# Allegro board SDHCalFEB20180110.brd (continued)
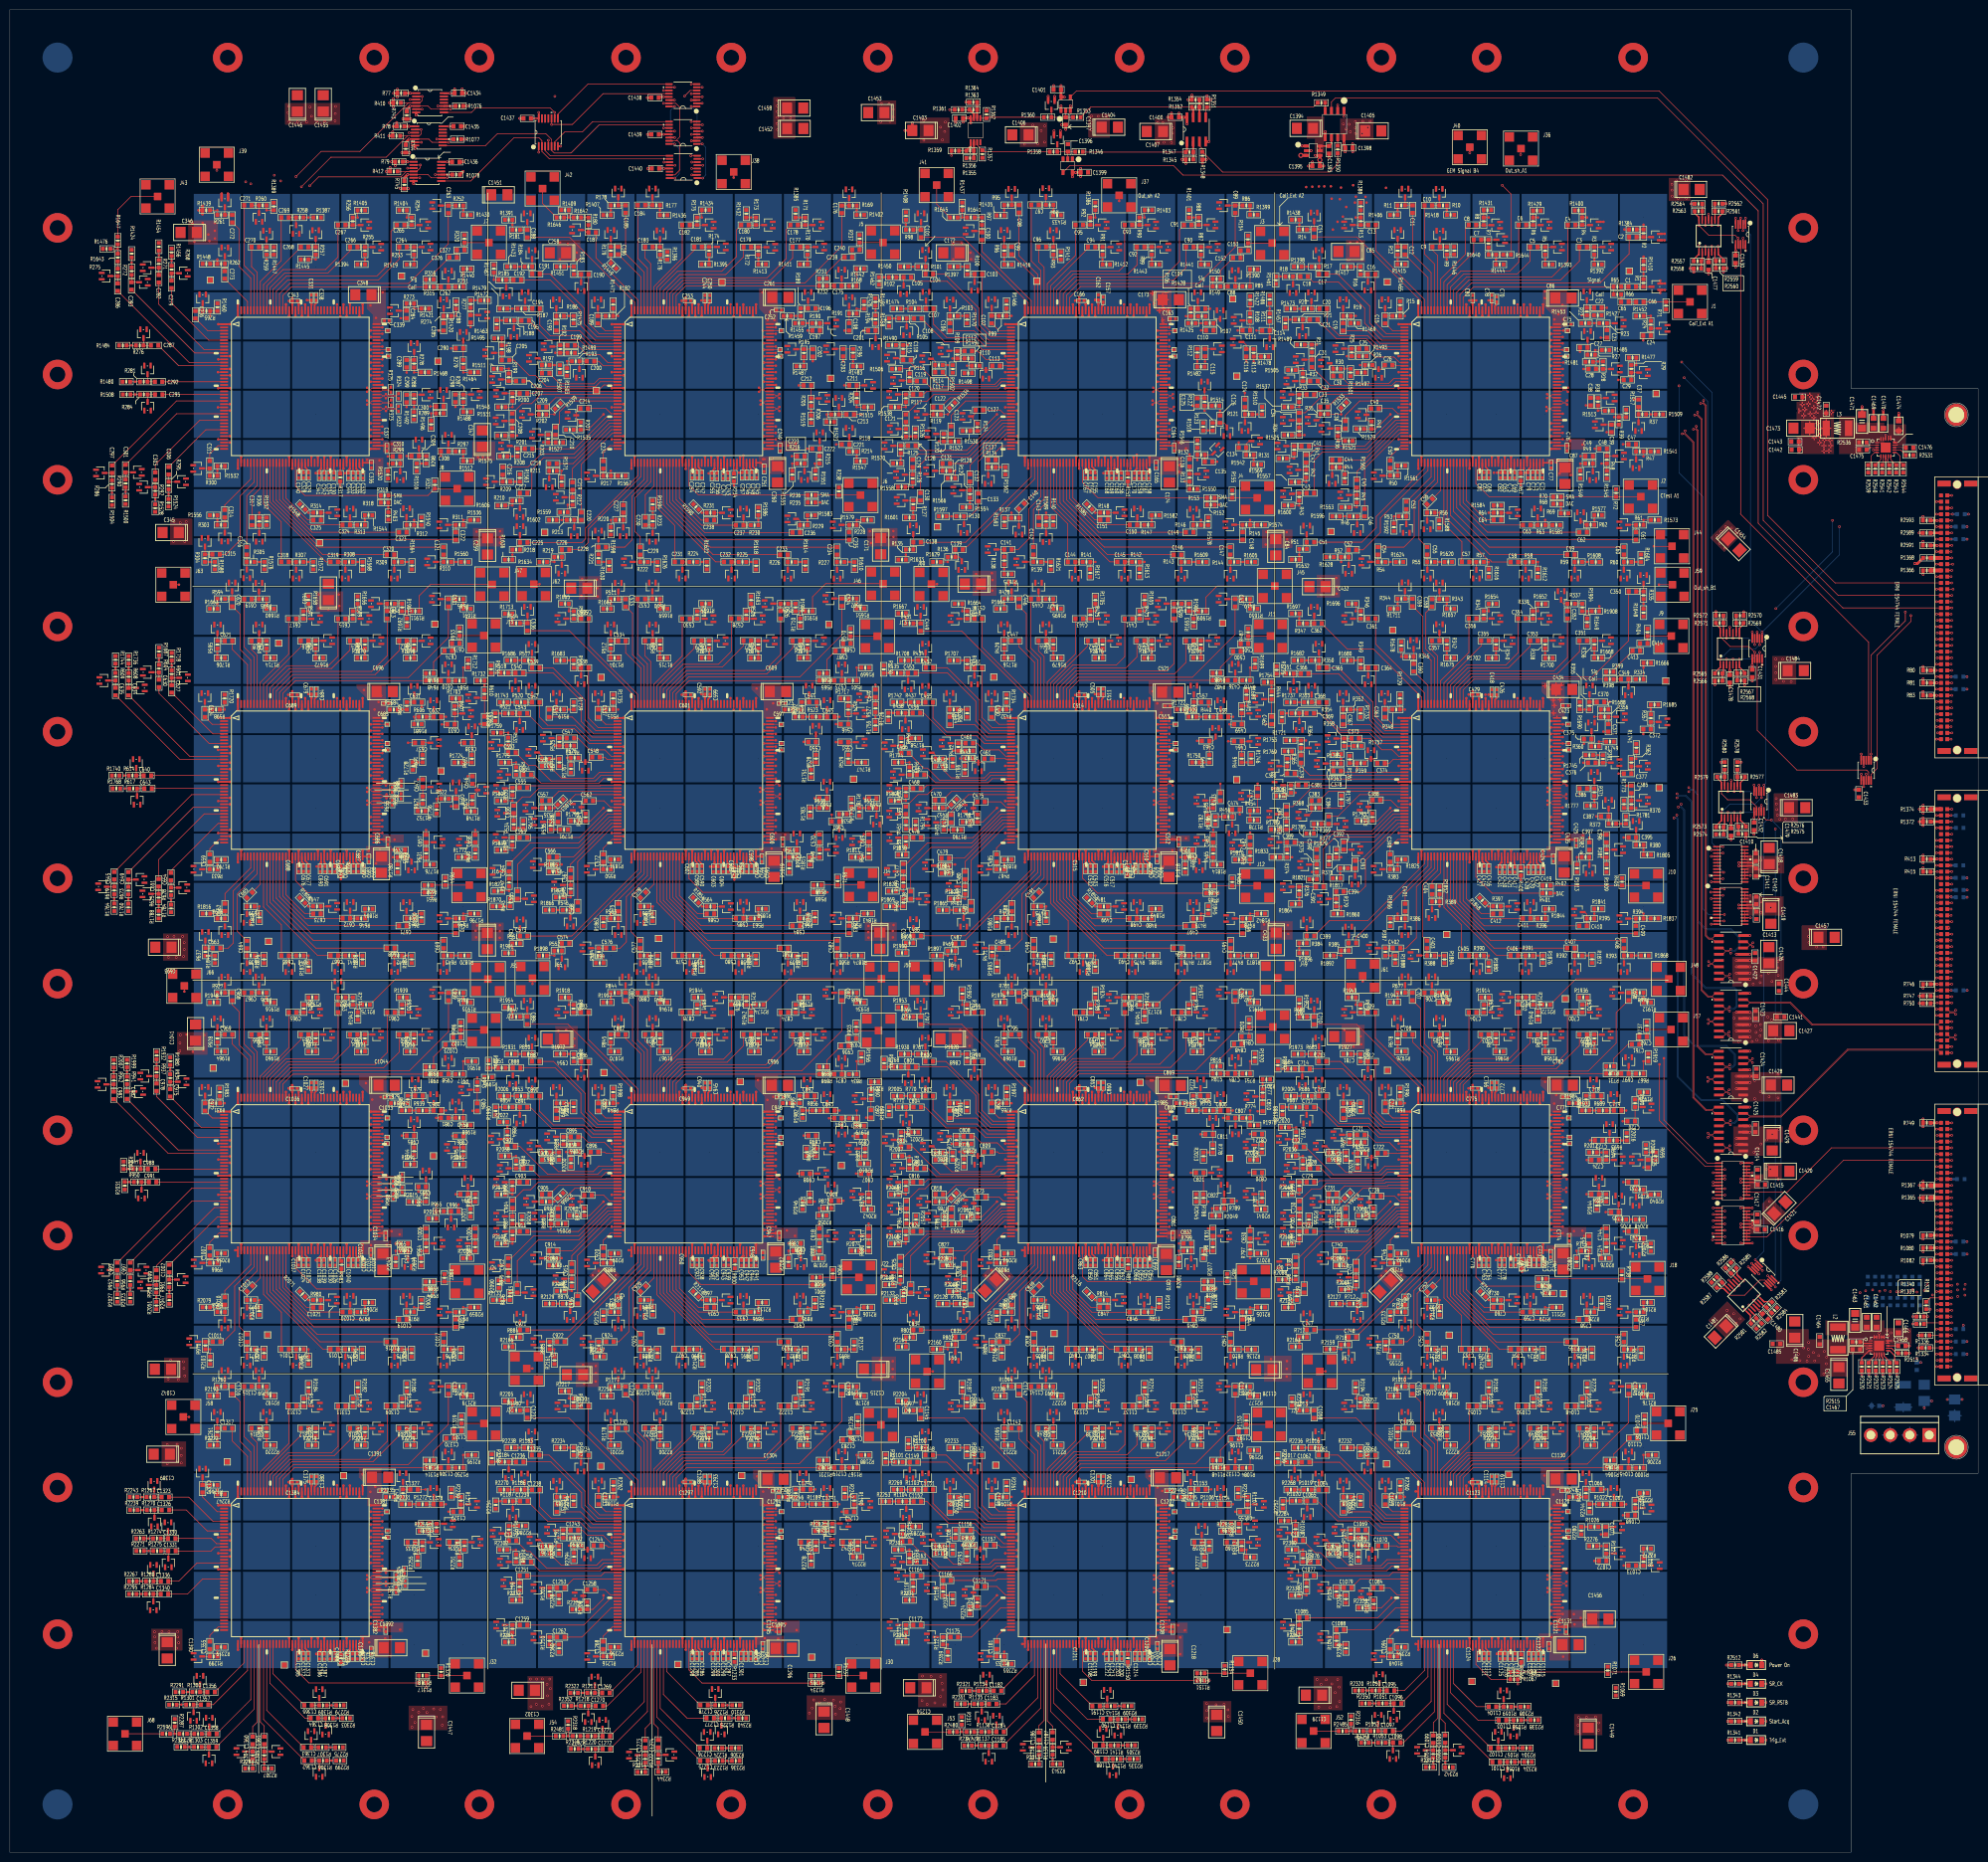
[diagram p0: board, top side]
## Routing (per net, layer and track width the routed paths; a pad name or vN(x,y) marks a point on that pad's centre or on a via; arc(x,y) is an arc through that point) (continued)
ANALOGIN54_ASIC_D2: length 23.8
  TOP w0.127: U910.46 209.66,29.3 202.08,21.73 C1185.2
ANALOGIN54_ASIC_D3: length 24.5
  TOP w0.127: C1272.2 122.07,20.99 129.65,28.57 U975.46
ANALOGIN54_ASIC_D4: length 24.1
  TOP w0.127: C1359.2 42.01,21.4 49.64,29.02 U1040.46
ANALOGIN55_ASIC_A1: length 19.4
  TOP w0.127: U65.47 290.32,278.4 286.54,274.62 286.54,266.85 288.17,265.21 C55.2
ANALOGIN55_ASIC_A2: length 18
  TOP w0.127: C142.2 208.14,272.86 210.31,275.03 U130.47
ANALOGIN55_ASIC_A3: length 18.9
  TOP w0.127: U195.47 130.3,278.43 127.15,275.29 127.15,268.33 128.19,267.28 C229.2
ANALOGIN55_ASIC_A4: length 18
  TOP w0.127: C316.2 48.17,275.63 50.29,277.74 U260.47
ANALOGIN55_ASIC_B1: length 18.8
  TOP w0.127: C403.2 288.13,185.24 287.25,186.12 287.25,196.47 290.32,199.54 U325.47
ANALOGIN55_ASIC_B5: length 19.4
  TOP w0.127: U390.47 210.31,198.04 206.55,194.28 206.55,186.86 208.17,185.24 C490.2
ANALOGIN55_ASIC_B6: length 19.6
  TOP w0.127: U455.47 130.3,198.09 126.29,194.08 126.29,187.09 128.13,185.24 C577.2
ANALOGIN55_ASIC_B7: length 19.6
  TOP w0.127: U520.47 50.29,198.8 46.25,194.77 46.25,187.14 48.18,185.22 C664.2
ANALOGIN55_ASIC_C1: length 19.6
  TOP w0.127: C751.2 286.18,107.24 286.18,113.56 290.32,117.7 U585.47
ANALOGIN55_ASIC_C2: length 19.4
  TOP w0.127: U650.47 210.31,117.95 206.5,114.15 206.5,106.93 208.19,105.23 C838.2
ANALOGIN55_ASIC_C3: length 19.3
  TOP w0.127: C925.2 128.21,105.23 126.7,106.75 126.7,114.6 130.3,118.21 U715.47
ANALOGIN55_ASIC_C4: length 19.3
  TOP w0.127: C1012.2 46.61,106.86 46.61,114.43 50.29,118.11 U780.47
ANALOGIN55_ASIC_D1: length 18.9
  TOP w0.127: C1099.2 289.46,26.34 290.32,27.2 U845.47
ANALOGIN55_ASIC_D2: length 18.4
  TOP w0.127: C1186.2 209.27,25.73 210.31,26.77 U910.47
ANALOGIN55_ASIC_D3: length 20
  TOP w0.127: U975.47 130.3,26.26 129.21,25.18 C1273.2
ANALOGIN55_ASIC_D4: length 19.2
  TOP w0.127: C1360.2 49.38,25.51 50.29,26.41 U1040.47
ANALOGIN56_ASIC_A1: length 8
  TOP w0.127: C56.2 290.97,276.71 U65.48
ANALOGIN56_ASIC_A2: length 11.9
  TOP w0.127: C143.2 209.26,272.76 210.96,274.46 U130.48
ANALOGIN56_ASIC_A3: length 11.8
  TOP w0.127: U195.48 130.95,277.59 129.21,275.86 C230.2
ANALOGIN56_ASIC_A4: length 11.9
  TOP w0.127: C317.2 49.24,275.48 50.94,277.17 U260.48
ANALOGIN56_ASIC_B1: length 6.8
  TOP w0.127: U325.48 290.97,199.02 289.21,197.26 C404.2
ANALOGIN56_ASIC_B5: length 8
  TOP w0.127: U390.48 210.96,196.74 C491.2
ANALOGIN56_ASIC_B6: length 8
  TOP w0.127: 129.31,195.06 130.95,196.69 U455.48
ANALOGIN56_ASIC_B7: length 8
  TOP w0.127: C665.2 50.94,196.7 U520.48
ANALOGIN56_ASIC_C1: length 8.1
  TOP w0.127: C752.2 290.97,116.59 U585.48
ANALOGIN56_ASIC_C2: length 8
  TOP w0.127: U650.48 210.96,116.65 C839.2
ANALOGIN56_ASIC_C3: length 8
  TOP w0.127: C926.2 130.95,116.65 U715.48
ANALOGIN56_ASIC_C4: length 7.9
  TOP w0.127: U780.48 50.94,116.69 C1013.2
ANALOGIN56_ASIC_D1: length 18.9
  TOP w0.127: C1100.2 291.88,26.21 290.97,27.12 U845.48
ANALOGIN56_ASIC_D2: length 18.4
  TOP w0.127: U910.48 210.96,26.68 212.04,25.6 C1187.2
ANALOGIN56_ASIC_D3: length 19.9
  TOP w0.127: U975.48 130.95,26.1 131.83,25.22 C1274.2
ANALOGIN56_ASIC_D4: length 19.2
  TOP w0.127: C1361.2 51.74,25.65 50.94,26.45 U1040.48
ANALOGIN57_ASIC_A1: length 21.7
  TOP w0.127: C57.2 295.26,266.31 291.62,269.95 U65.49
ANALOGIN57_ASIC_A2: length 21.6
  TOP w0.127: U130.49 211.61,273.46 215.14,269.93 C144.2
ANALOGIN57_ASIC_A3: length 21.6
  TOP w0.127: C231.2 135.23,269.6 131.6,273.23 U195.49
ANALOGIN57_ASIC_A4: length 21.6
  TOP w0.127: C318.2 55.19,270.36 51.59,273.96 U260.49
ANALOGIN57_ASIC_B1: length 21.6
  TOP w0.127: C405.2 295.2,188.44 291.62,192.02 U325.49
ANALOGIN57_ASIC_B5: length 21.6
  TOP w0.127: C492.2 215.21,189.28 211.61,192.89 U390.49
ANALOGIN57_ASIC_B6: length 21.6
  TOP w0.127: U455.49 131.6,193.04 135.2,189.43 C579.2
ANALOGIN57_ASIC_B7: length 21.6
  TOP w0.127: U520.49 51.59,192.08 55.22,188.44 C666.2
ANALOGIN57_ASIC_C1: length 21.6
  TOP w0.127: U585.49 291.62,112.65 295.22,109.04 C753.2
ANALOGIN57_ASIC_C2: length 21.6
  TOP w0.127: C840.2 215.19,109.7 211.61,113.28 U650.49
ANALOGIN57_ASIC_C3: length 21.6
  TOP w0.127: C927.2 135.23,109.63 131.6,113.26 U715.49
ANALOGIN57_ASIC_C4: length 21.6
  TOP w0.127: C1014.2 55.22,109.73 51.59,113.36 U780.49
ANALOGIN57_ASIC_D1: length 28.1
  TOP w0.127: C1101.2 301.47,18.36 291.62,28.21 U845.49
ANALOGIN57_ASIC_D2: length 27.4
  TOP w0.127: C1188.2 221.28,18.96 211.61,28.64 U910.49
ANALOGIN57_ASIC_D3: length 27.4
  TOP w0.127: U975.49 131.6,27.4 140.39,18.61 C1275.2
ANALOGIN57_ASIC_D4: length 27.1
  TOP w0.127: U1040.49 51.59,26.97 59.89,18.66 C1362.2
ANALOGIN58_ASIC_A1: length 28
  TOP w0.127: U65.50 292.27,282.34 292.27,282.34 292.27,270.95 300.55,262.67 300.92,262.67 301.2,262.39 301.2,262.31 301.32,262.19 C58.2
ANALOGIN58_ASIC_A2: length 26.4
  TOP w0.127: U130.50 212.26,273.65 223.69,262.22 C145.2
ANALOGIN58_ASIC_A3: length 26.5
  TOP w0.127: U195.50 132.25,273.49 143.52,262.22 C232.2
ANALOGIN58_ASIC_A4: length 26
  TOP w0.127: U260.50 52.24,274.25 64.27,262.22 C319.2
ANALOGIN58_ASIC_B1: length 27.1
  TOP w0.127: U325.50 292.27,192.29 302.33,182.22 C406.2
ANALOGIN58_ASIC_B5: length 26.7
  TOP w0.127: C493.2 223.11,182.22 212.26,193.08 U390.50
ANALOGIN58_ASIC_B6: length 26.6
  TOP w0.127: C580.2 143.28,182.22 132.25,193.25 U455.50
ANALOGIN58_ASIC_B7: length 27
  TOP w0.127: U520.50 52.24,192.57 62.58,182.22 C667.2
ANALOGIN58_ASIC_C1: length 26.8
  TOP w0.127: U585.50 292.27,112.86 302.92,102.21 C754.2
ANALOGIN58_ASIC_C2: length 26.4
  TOP w0.127: C841.2 223.57,102.21 212.26,113.52 U650.50
ANALOGIN58_ASIC_C3: length 26.5
  TOP w0.127: U715.50 132.25,113.47 143.51,102.21 C928.2
ANALOGIN58_ASIC_C4: length 26.4
  TOP w0.127: C1015.2 63.65,102.21 52.24,113.62 U780.50
ANALOGIN58_ASIC_D1: length 24.8
  TOP w0.127: U845.50 292.27,30.07 301.14,21.2 C1102.2
ANALOGIN58_ASIC_D2: length 24.1
  TOP w0.127: C1189.2 220.8,21.76 212.26,30.3 U910.50
ANALOGIN58_ASIC_D3: length 24.5
  TOP w0.127: C1276.2 140.28,21.2 132.25,29.24 U975.50
ANALOGIN58_ASIC_D4: length 24.1
  TOP w0.127: C1363.2 59.74,21.33 52.24,28.83 U1040.50
ANALOGIN59_ASIC_A1: length 37.7
  TOP w0.127: U65.51 292.92,282.34 292.92,271.7 300.92,263.7 C59.2
ANALOGIN59_ASIC_A2: length 36.4
  TOP w0.127: C146.2 223.2,263.66 212.91,273.96 U130.51
ANALOGIN59_ASIC_A3: length 36.5
  TOP w0.127: U195.51 132.9,273.78 143,263.68 C233.2
ANALOGIN59_ASIC_A4: length 36.1
  TOP w0.127: C320.2 63.61,263.69 52.89,274.42 U260.51
ANALOGIN59_ASIC_B1: length 37.2
  TOP w0.127: U325.51 292.92,192.58 301.77,183.72 C407.2
ANALOGIN59_ASIC_B5: length 36.8
  TOP w0.127: C494.2 222.45,183.72 212.91,193.26 U390.51
ANALOGIN59_ASIC_B6: length 36.8
  TOP w0.127: U455.51 132.9,202.33 132.9,193.39 142.59,183.7 C581.2
ANALOGIN59_ASIC_B7: length 37
  TOP w0.127: C668.2 62.2,183.72 52.89,193.04 U520.51
ANALOGIN59_ASIC_C1: length 37
  TOP w0.127: C755.2 302.23,103.69 292.92,113 U585.51
ANALOGIN59_ASIC_C2: length 36.5
  TOP w0.127: C842.2 222.91,103.71 212.91,113.71 U650.51
ANALOGIN59_ASIC_C3: length 36.6
  TOP w0.127: C929.2 142.79,103.71 132.9,113.61 U715.51
ANALOGIN59_ASIC_C4: length 36.5
  TOP w0.127: C1016.2 63.06,103.71 52.89,113.89 U780.51
ANALOGIN59_ASIC_D1: length 22
  TOP w0.127: C1103.2 298.55,26.83 292.92,32.45 U845.51
ANALOGIN59_ASIC_D2: length 21
  TOP w0.127: C1190.2 219.1,27.03 212.91,33.22 U910.51
ANALOGIN59_ASIC_D3: length 21
  TOP w0.127: U975.51 132.9,32.05 137.71,27.23 C1277.2
ANALOGIN59_ASIC_D4: length 19.2
  TOP w0.127: U1040.51 52.89,34.31 59.97,27.23 C1364.2
ANALOGIN60_ASIC_A1: length 47.5
  TOP w0.127: U65.52 293.57,272.45 300.8,265.21 C60.2
ANALOGIN60_ASIC_A2: length 46.5
  TOP w0.127: U130.52 213.56,274.2 222.53,265.23 C147.2
ANALOGIN60_ASIC_A3: length 46.6
  TOP w0.127: U195.52 133.55,274.1 142.44,265.21 C234.2
ANALOGIN60_ASIC_A4: length 46.3
  TOP w0.127: C321.2 62.89,265.2 53.54,274.55 U260.52
ANALOGIN60_ASIC_B1: length 47.3
  TOP w0.127: C408.2 301.09,185.24 293.57,192.77 U325.52
ANALOGIN60_ASIC_B5: length 46.9
  TOP w0.127: C495.2 221.84,185.24 213.56,193.53 U390.52
ANALOGIN60_ASIC_B6: length 46.9
  TOP w0.127: U455.52 133.55,193.63 141.94,185.24 C582.2
ANALOGIN60_ASIC_B7: length 47
  TOP w0.127: U520.52 53.54,193.45 61.75,185.24 C669.2
ANALOGIN60_ASIC_C1: length 47
  TOP w0.127: C756.2 301.6,105.23 293.57,113.26 U585.52
ANALOGIN60_ASIC_C2: length 46.7
  TOP w0.127: U650.52 213.56,113.87 222.2,105.23 C843.2
ANALOGIN60_ASIC_C3: length 46.8
  TOP w0.127: U715.52 133.55,113.77 142.09,105.23 C930.2
ANALOGIN60_ASIC_C4: length 46.6
  TOP w0.127: U780.52 53.54,114.18 62.48,105.23 C1017.2
ANALOGIN60_ASIC_D1: length 17.2
  TOP w0.127: U845.52 293.57,34.27 298.27,29.57 C1104.2
ANALOGIN60_ASIC_D2: length 15.4
  TOP w0.127: U910.52 213.56,36.27 220.12,29.71 C1191.2
ANALOGIN60_ASIC_D3: length 15.3
  TOP w0.127: C1278.2 133.55,36.74 U975.52
ANALOGIN60_ASIC_D4: length 15.1
  TOP w0.127: U1040.52 53.54,36.24 59.89,29.89 C1365.2
ANALOGIN61_ASIC_A1: length 48.3
  TOP w0.127: C61.2 300.7,266.71 294.22,273.19 U65.53
ANALOGIN61_ASIC_A2: length 47.5
  TOP w0.127: C148.2 222.05,266.73 214.21,274.57 U130.53
ANALOGIN61_ASIC_A3: length 47.7
  TOP w0.127: U195.53 134.2,274.34 141.84,266.7 C235.2
ANALOGIN61_ASIC_A4: length 47.5
  TOP w0.127: U260.53 54.19,274.72 62.2,266.7 C322.2
ANALOGIN61_ASIC_B1: length 48.4
  TOP w0.127: U325.53 294.22,192.95 300.46,186.72 C409.2
ANALOGIN61_ASIC_B5: length 47.9
  TOP w0.127: C496.2 221.28,186.72 214.21,193.79 U390.53
ANALOGIN61_ASIC_B6: length 47.9
  TOP w0.127: C583.2 141.25,186.74 134.2,193.79 U455.53
ANALOGIN61_ASIC_B7: length 47.9
  TOP w0.127: C670.2 61.29,186.74 54.19,193.84 U520.53
ANALOGIN61_ASIC_C1: length 48.2
  TOP w0.127: C757.2 300.89,106.71 294.22,113.37 U585.53
ANALOGIN61_ASIC_C2: length 47.8
  TOP w0.127: U650.53 214.21,113.98 221.46,106.73 C844.2
ANALOGIN61_ASIC_C3: length 47.8
  TOP w0.127: C931.2 141.43,106.76 134.2,113.99 U715.53
ANALOGIN61_ASIC_C4: length 47.6
  TOP w0.127: U780.53 54.19,114.39 61.83,106.75 C1018.2
ANALOGIN62_ASIC_A1: length 35.1
  TOP w0.127: U65.54 294.87,273.84 300.46,268.25 C62.2
ANALOGIN62_ASIC_A2: length 34.5
  TOP w0.127: C149.2 221.45,268.24 214.86,274.83 U130.54
ANALOGIN62_ASIC_A3: length 34.7
  TOP w0.127: C236.2 141.29,268.19 134.85,274.63 U195.54
ANALOGIN62_ASIC_A4: length 34.5
  TOP w0.127: U260.54 54.84,274.86 61.46,268.24 C323.2
ANALOGIN62_ASIC_B1: length 35.5
  TOP w0.127: C410.2 299.79,188.24 294.87,193.17 U325.54
ANALOGIN62_ASIC_B5: length 35
  TOP w0.127: C497.2 220.67,188.24 214.86,194.06 U390.54
ANALOGIN62_ASIC_B6: length 35
  TOP w0.127: C584.2 140.53,188.27 134.85,193.96 U455.54
ANALOGIN62_ASIC_B7: length 34.9
  TOP w0.127: U520.54 54.84,194.13 60.7,188.27 C671.2
ANALOGIN62_ASIC_C1: length 35.2
  TOP w0.127: C758.2 300.22,108.26 294.87,113.61 U585.54
ANALOGIN62_ASIC_C2: length 34.9
  TOP w0.127: C845.2 220.77,108.26 214.86,114.17 U650.54
ANALOGIN62_ASIC_C3: length 34.9
  TOP w0.127: U715.54 134.85,114.17 140.74,108.28 C932.2
ANALOGIN62_ASIC_C4: length 34.7
  TOP w0.127: U780.54 54.84,114.61 61.18,108.27 C1019.2
ANALOGIN63_ASIC_A1: length 22.1
  TOP w0.127: C63.2 300.07,269.71 295.52,274.26 U65.55
ANALOGIN63_ASIC_A2: length 21.7
  TOP w0.127: U130.55 215.51,275.07 220.84,269.74 C150.2
ANALOGIN63_ASIC_A3: length 21.8
  TOP w0.127: C237.2 140.66,269.67 135.5,274.84 U195.55
ANALOGIN63_ASIC_A4: length 21.7
  TOP w0.127: C324.2 60.74,269.74 55.49,274.99 U260.55
ANALOGIN63_ASIC_B1: length 22.6
  TOP w0.127: C411.2 299.11,189.74 295.52,193.33 U325.55
ANALOGIN63_ASIC_B5: length 22.1
  TOP w0.127: U390.55 215.51,194.22 219.99,189.74 C498.2
ANALOGIN63_ASIC_B6: length 22.1
  TOP w0.127: C585.2 139.9,189.77 135.5,194.17 U455.55
ANALOGIN63_ASIC_B7: length 22.1
  TOP w0.127: U520.55 55.49,194.32 60.04,189.77 C672.2
ANALOGIN63_ASIC_C1: length 22.2
  TOP w0.127: U585.55 295.52,113.95 299.72,109.76 C759.2
ANALOGIN63_ASIC_C2: length 22.1
  TOP w0.127: U650.55 215.51,114.23 220.01,109.73 C846.2
ANALOGIN63_ASIC_C3: length 22.1
  TOP w0.127: C933.2 140.05,109.76 135.5,114.31 U715.55
ANALOGIN63_ASIC_C4: length 21.8
  TOP w0.127: U780.55 55.49,114.77 60.49,109.77 C1020.2
ANALOGIN64_ASIC_A1: length 14.9
  TOP w0.127: U65.56 296.17,274.7 300.11,270.76 C64.2
ANALOGIN64_ASIC_A2: length 14.6
  TOP w0.127: C151.2 220.59,270.78 216.16,275.21 U130.56
ANALOGIN64_ASIC_A3: length 14.6
  TOP w0.127: C238.2 140.58,270.7 136.15,275.13 U195.56
ANALOGIN64_ASIC_A4: length 14.6
  TOP w0.127: C325.2 60.59,270.73 56.14,275.18 U260.56
ANALOGIN64_ASIC_B1: length 15.3
  TOP w0.127: U325.56 296.17,193.77 299.23,190.71 C412.2
ANALOGIN64_ASIC_B5: length 15
  TOP w0.127: C499.2 219.96,190.68 216.16,194.48 U390.56
ANALOGIN64_ASIC_B6: length 15
  TOP w0.127: U455.56 136.15,194.38 139.82,190.71 C586.2
ANALOGIN64_ASIC_B7: length 14.9
  TOP w0.127: C673.2 60.02,190.71 56.14,194.59 U520.56
ANALOGIN64_ASIC_C1: length 15
  TOP w0.127: C760.2 299.79,110.72 296.17,114.35 U585.56
ANALOGIN64_ASIC_C2: length 15
  TOP w0.127: U650.56 216.16,114.37 219.81,110.72 C847.2
ANALOGIN64_ASIC_C3: length 14.9
  TOP w0.127: U715.56 136.15,114.58 140.03,110.7 C934.2
ANALOGIN64_ASIC_C4: length 14.7
  TOP w0.127: U780.56 56.14,114.91 60.36,110.68 C1021.2
AUTO_CALIA: length 671
  TOP w0.127: R1067.1 v4(306.63,34.16) ; v4(243.92,34.87) R1151.1 ; v1(313.33,115.03) R734.1 ; R68.1 v1(315.4,273.02) R69.1 ; v1(314.2,194.89) R401.1 ; v1(245.97,273.81) R152.1 ; v1(245.75,194.89) R485.1 ; v1(245.34,114.49) R818.1 ; R1359.1 v4(191.47,344.81)
  GND1 w0.127: v2(315.4,272.29) v1(315.4,273.02) ; v2(246.08,114.49) v1(245.34,114.49) ; v2(312.6,115.03) v1(313.33,115.03) ; v1(245.97,273.81) v2(246.71,273.81) ; v2(246.48,194.89) v1(245.75,194.89) ; v2(313.46,194.89) v1(314.2,194.89)
  SIG1 w0.127: v2(315.4,272.29) 305.97,262.85 305.97,207.87 313.46,200.38 v2(313.46,194.89) 313.46,187.2 308.76,182.5 308.76,125.12 312.6,121.28 v2(312.6,115.03) 308.2,110.63 308.2,35.74 v4(306.63,34.16) 303.91,31.45 247.34,31.45 v4(243.92,34.87) 243.92,47.14 246.08,49.3 v2(246.08,114.49) 246.61,115.03 246.61,149.38 246.48,149.5 v2(246.48,194.89) 248.58,196.98 248.58,272.12 246.89,273.81 v2(246.71,273.81) 243.71,276.81 235.43,276.81 227.36,284.89 227.36,304.29 219.91,311.73 219.91,316.36 v4(191.47,344.81)
AUTO_CALIB: length 673.7
  TOP w0.127: v1(86.11,113.49) R984.1 ; v1(166.27,195.06) R568.1 ; R403.1 76.96,272.32 v1(76.96,273.28) R318.1 ; v1(85.83,194.06) R651.1 ; R1361.1 v4(191.11,354.1) ; v4(165.48,34.36) R1234.1 ; v1(164.77,274.29) R235.1 ; v1(165.68,115.31) R901.1 ; v4(84.71,33.43) R1317.1
  GND1 w0.127: v2(76.96,272.54) v1(76.96,273.28) ; v1(166.27,195.06) v2(165.53,195.06) ; v1(85.83,194.06) v2(85.83,193.32) ; v2(85.37,113.49) v1(86.11,113.49) ; v1(165.68,115.31) v2(165.68,116.04) ; v1(164.77,274.29) v2(165.51,274.29)
  SIG1 w0.127: v4(191.11,354.1) 187.71,350.7 187.71,296.49 v2(165.51,274.29) 165.53,274.27 v2(165.53,195.06) 164.62,194.15 164.62,146.13 165.68,145.06 v2(165.68,116.04) 163.88,114.24 163.88,43.18 165.48,41.58 v4(165.48,34.36) 161.98,30.86 87.27,30.86 v4(84.71,33.43) 84.71,64.77 84.48,65 84.48,112.6 v2(85.37,113.49) 85.37,192.86 v2(85.83,193.32) 85.48,193.66 85.48,264.02 v2(76.96,272.54)
CALI_CS#: length 205.6
  TOP w0.127: U1044.3 268.74,355.69 269.54,356.49 335.03,356.49 356.54,334.98 356.54,270.66 371.8,255.4 J35.B24
CALI_DIN: length 202.8
  TOP w0.127: J35.A23 v4(394.82,254.13) ; v4(271.28,352.71) U1044.1
  SIG3 w0.127: v4(271.28,352.71) 333.93,352.71 354.84,331.8 354.84,269.67 369.77,254.74 394.21,254.74 v4(394.82,254.13)
CALI_EXT_ASIC_A1: length 9.4
  TOP w0.127: C66.1 336.18,315.04 336.19,315.05 R71.1 341.65,315.05 J1.1
CALI_EXT_ASIC_A2: length 6.5
  TOP w0.127: J3.1 251.77,327.01 R154.1 251.76,325.52 C153.1
CALI_EXT_ASIC_A3: length 6.2
  TOP w0.127: C240.1 R237.1 J5.1
CALI_EXT_ASIC_A4: length 6.5
  TOP w0.127: J7.1 R320.1 92.43,325.59 C327.1
CALI_EXT_ASIC_B1: length 6.3
  TOP w0.127: C414.1 333.01,245.65 R404.1 J9.1
CALI_EXT_ASIC_B5: length 6.1
  TOP w0.127: C501.1 251.82,246.21 251.81,246.21 R487.1 J11.1
CALI_EXT_ASIC_B6: length 6.9
  TOP w0.127: C588.1 170.97,247.11 R570.1 J13.1
CALI_EXT_ASIC_B7: length 6.5
  TOP w0.127: J15.1 R653.1 91.46,246.3 91.44,246.28 C675.1
CALI_EXT_ASIC_C1: length 6.4
  TOP w0.127: C762.1 332.87,166.32 332.86,166.33 R737.1 J17.1
CALI_EXT_ASIC_C2: length 6.8
  TOP w0.127: J19.1 R820.1 251.98,165.75 C849.1
CALI_EXT_ASIC_C3: length 6.1
  TOP w0.127: J21.1 R903.1 172.1,165.37 C935.1
CALI_EXT_ASIC_C4: length 6.2
  TOP w0.127: C1022.1 91.69,165.63 R986.1 J23.1
CALI_EXT_ASIC_D1: length 6.3
  TOP w0.127: J25.1 R1070.1 332.4,85.66 C1109.1
CALI_EXT_ASIC_D2: length 6.1
  TOP w0.127: C1197.1 251.43,85.46 R1153.1 J27.1
CALI_EXT_ASIC_D3: length 6.2
  TOP w0.127: C1284.1 172.43,85.31 R1236.1 J29.1
CALI_EXT_ASIC_D4: length 6.1
  TOP w0.127: C1371.1 91.84,85.64 R1319.1 J31.1
CALI_SCK: length 205.4
  TOP w0.127: U1044.2 v4(270.01,355.05) ; J35.A25 v4(395.15,256.67)
  SIG3 w0.127: v4(270.01,355.05) 335.21,355.05 357,333.25 357,269.88 369.54,257.33 394.49,257.33 v4(395.15,256.67)
CALI_SIGNAL_A: length 6.7
  TOP w0.127: U1043.2 215.12,345.54 C1396.1 ; C1396.1 215.16,345.57 R1346.1 ; C1396.1 213,345.57 R1358.1 212.98,345.58 U1042.3
CALI_SIGNAL_B: length 7.3
  TOP w0.127: U1047.3 211.79,352.59 R1360.1 211.81,352.57 C1397.1 ; C1397.1 214.73,352.58 R1353.1 ; C1397.1 214.7,352.59 U1046.2
CALI_SW_A: length 253.5
  TOP w0.127: U1043.4 215.57,342.77 236.6,342.77 238.56,340.82 348.26,340.82 355.52,333.55 355.52,270.08 372.74,252.86 J35.B22
CALI_SW_B: length 256.6
  TOP w0.127: U1046.4 215.65,356.67 216.89,357.91 335.38,357.91 357.4,335.89 357.4,271.68 371.14,257.94 J35.B26
CHIPSATB_A: length 360.3
  TOP w0.127: v1(153.39,302.72) 154.57,302.72 U195.108 ; v1(315.87,302.72) 315.6,302.72 315.59,302.72 U65.108 ; v1(233.4,302.72) U130.108 ; J35.B12 v4(391.7,240.16) ; U260.108 v1(73.38,302.72)
  TOP w0.508: R80.2 391.69,240.16 v4(391.7,240.16)
  GND1 w0.127: v2(154.13,302.72) v1(153.39,302.72) ; v2(234.14,302.72) v1(233.4,302.72) ; v1(73.38,302.72) v2(74.12,302.72) ; v1(315.87,302.72) 315.6,302.72 315.14,302.72 v2(315.14,302.72)
  SIG1 w0.127: v2(315.14,302.72) 316.92,302.72 317.73,303.53 324.33,303.53 335.76,292.1 338.3,292.1 345.11,285.29 345.11,279.88 384.83,240.16 v4(391.7,240.16)
  SIG2 w0.127: v2(315.14,302.72) 312.14,302.72 311.68,303.17 287.68,303.17 286.97,302.46 284.45,302.46 283.9,303.02 238.4,303.02 238.1,302.72 v2(234.14,302.72) 232.15,302.72 231.62,303.25 209.67,303.25 209.09,302.67 203.96,302.67 203.71,302.92 158.6,302.92 158.4,302.72 v2(154.13,302.72) 152.83,302.72 152.04,303.5 128.7,303.5 127.94,302.74 121.76,302.74 120.67,303.83 112.01,303.83 110.9,302.72 v2(74.12,302.72)
CHIPSATB_B: length 339.1
  TOP w0.127: U455.108 154.57,222.71 v1(153.39,222.71) ; U390.108 234.58,222.71 v1(233.4,222.71) ; U520.108 v1(73.38,222.71) ; J34.B32 v4(391.92,201.81) ; U325.108 v1(315.77,222.71)
  TOP w0.508: R413.2 391.91,201.81 v4(391.92,201.81)
  GND1 w0.127: v1(153.39,222.71) v2(154.13,222.71) ; v1(73.38,222.71) v2(74.12,222.71) ; v1(233.4,222.71) v2(234.14,222.71) ; v1(315.77,222.71) v2(316.58,222.71)
  SIG1 w0.127: v4(391.92,201.81) 379.22,201.81 362.36,218.67 358.19,218.67 353.39,223.47 317.96,223.47 317.2,222.71 v2(316.58,222.71)
  SIG2 w0.127: v2(74.12,222.71) 74.18,222.77 126.35,222.77 126.72,223.14 152.17,223.14 152.6,222.71 v2(154.13,222.71) 185.7,222.71 185.98,222.99 202.74,222.99 202.95,222.78 209.65,222.78 210.16,223.29 231.7,223.29 232.28,222.71 v2(234.14,222.71) 250.83,222.71 251.05,222.94 271.98,222.94 272.36,222.55 285.42,222.55 286.35,221.63 303.8,221.63 304.88,222.71 v2(316.58,222.71)
CHIPSATB_C: length 345.1
  TOP w0.127: v1(315.78,142.7) U585.108 ; J34.B12 v4(391.92,176.41) ; U715.108 v1(153.39,142.7) ; U650.108 v1(233.4,142.7) ; U780.108 v1(73.38,142.7)
  TOP w0.508: R746.2 391.91,176.41 v4(391.92,176.41)
  GND1 w0.127: v1(315.78,142.7) v2(316.51,142.7) ; v1(233.4,142.7) v2(234.14,142.7) ; v1(73.38,142.7) v2(74.12,142.7) ; v1(153.39,142.7) v2(154.13,142.7)
  SIG1 w0.127: v2(329.64,141.15) 330.12,141.63 332.7,141.63 332.7,141.63 333.17,141.63 333.18,141.63 346.71,141.63 381.48,176.41 v4(391.92,176.41)
  SIG2 w0.127: v2(329.64,141.15) 322.2,141.15 320.65,142.7 v2(316.51,142.7) 311.71,142.7 311.28,143.13 286.1,143.13 285.75,142.78 285.28,142.78 284.92,143.13 240.72,143.13 240.29,142.7 v2(234.14,142.7) 231.77,142.7 230.89,143.59 207.62,143.59 206.81,142.77 204.19,142.77 203.84,143.13 190.96,143.13 190.53,142.7 v2(154.13,142.7) 152.19,142.7 151.82,143.08 129.69,143.08 129.39,142.77 121.28,142.77 121.01,143.05 105.56,143.05 105.21,142.7 v2(74.12,142.7)
CHIPSATB_D: length 359.6
  TOP w0.127: U845.108 v1(315.78,62.69) ; U910.108 v1(233.4,62.69) ; J33.B22 v4(391.92,125.35) ; U975.108 v1(153.39,62.69) ; U1040.108 v1(73.38,62.69)
  TOP w0.508: R1079.2 391.91,125.36 v4(391.92,125.35)
  GND1 w0.127: v1(73.38,62.69) v2(74.12,62.69) ; v1(233.4,62.69) v2(234.14,62.69) ; v1(153.39,62.69) v2(154.13,62.69) ; v1(315.78,62.69) v2(316.51,62.69)
  SIG1 w0.127: v4(391.92,125.35) 379.61,125.35 352.37,98.12 352.37,90.6 327.43,65.66 322.91,65.66 319.94,62.69 v2(316.51,62.69)
  SIG2 w0.127: v2(316.51,62.69) 312.72,62.69 312.37,63.04 287.5,63.04 287.22,62.76 283.36,62.76 283.24,62.89 267.13,62.89 266.93,62.69 v2(234.14,62.69) 232.74,62.69 232.35,63.08 207.53,63.08 207.14,62.69 203.43,62.69 203.18,62.94 189.87,62.94 189.61,62.69 v2(154.13,62.69) 153.08,62.69 152.78,62.99 128.17,62.99 127.87,62.69 123.87,62.69 123.37,63.2 107.16,63.2 106.66,62.69 v2(74.12,62.69)
CHIPSATB_E: length 1.7
  TOP w0.127: J33.A7 v4(394.75,106.3)
  BOTTOM w0.127: R1337.1 395.7,106.3 v4(394.75,106.3)
CK_5N: length 42.5
  TOP w0.102: U1055.7 353.21,173.25 353.73,172.73 362.09,172.73 366.56,168.26 392.17,168.26 J34.B6
CK_5N_A: length 408.4
  TOP w0.102: U130.98 235.53,296.22 235.75,296 236.2,296 v1(236.49,296.3) ; v4(343.19,292.62) 343.19,292.19 344.11,291.27 344.11,175.25 345.36,174 346.23,174 346.76,174.52 U1055.9 ; R324.1 78.64,296.01 76.76,296.01 v1(76.47,296.3) 76.18,296 75.73,296 75.51,296.22 U260.98 ; U195.98 155.52,296.22 155.74,296 156.18,296 v1(156.48,296.3) ; v1(312.6,296.3) 312.9,296 313.43,296 313.64,296.22 U65.98
  GND1 w0.102: v1(312.6,296.3) 312.9,296 313.66,296 v2(314.04,296.37) ; v2(157.91,296.37) 157.54,296 156.78,296 v1(156.48,296.3) ; v1(76.47,296.3) 76.77,296 77.4,296 v2(77.77,296.38) ; v1(236.49,296.3) 236.79,296 237.5,296 v2(237.87,296.37)
  SIG2 w0.102: v4(343.19,292.62) 342.76,292.62 339.38,296 314.41,296 v2(314.04,296.37) 313.67,296.01 312.67,296.01 312.06,295.4 243.54,295.4 242.93,296 238.24,296 v2(237.87,296.37) 237.5,296 158.29,296 v2(157.91,296.37) 157.54,296 157.44,296 78.14,296 v2(77.77,296.38)
CK_5N_B: length 344.3
  TOP w0.102: R657.1 77.33,215.99 75.73,215.99 75.51,216.21 U520.98 73.61,216.21 73.4,215.99 72.95,215.99 v1(72.65,216.29) ; U1055.12 348.28,170.71 348.81,171.24 349.38,171.24 v4(349.68,170.94) ; U325.98 313.64,216.21 313.43,215.99 312.98,215.99 v1(312.68,216.29) ; v1(152.58,216.29) 152.88,215.99 153.41,215.99 153.62,216.21 U455.98 ; v1(232.67,216.29) 232.97,215.99 233.42,215.99 233.63,216.21 U390.98
  GND1 w0.102: v1(72.65,216.29) 72.35,215.99 71.83,215.99 v2(71.46,216.36) ; v1(232.67,216.29) 232.37,215.99 231.92,215.99 v2(231.55,216.36) ; v2(151.37,216.36) 151.74,215.99 152.29,215.99 v1(152.58,216.29) ; v1(312.68,216.29) 312.38,215.99 311.62,215.99 v2(311.25,216.36)
  SIG2 w0.102: v2(71.46,216.36) 71.83,215.99 151,215.99 v2(151.37,216.36) 151.74,215.99 231.18,215.99 v2(231.55,216.36) 231.92,215.99 310.88,215.99 v2(311.25,216.36) 311.6,216.01 320.89,216.01 322.06,214.85 338.77,214.85 v4(339.01,215.09)
  BOTTOM w0.102: v4(349.68,170.94) 349.97,171.24 350.64,171.24 351.14,171.74 351.14,175.32 350.76,175.7 344.95,175.7 342.1,178.55 342.1,213.55 340.83,214.82 339.28,214.82 v4(339.01,215.09)
CK_5N_C: length 315.3
  TOP w0.102: v1(72.65,136.28) 72.95,135.98 73.4,135.98 73.61,136.2 U780.98 75.51,136.2 75.73,135.98 77.56,135.98 R990.1 ; v1(232.67,136.28) 232.97,135.98 233.42,135.98 233.64,136.2 U650.98 ; U715.98 153.62,136.2 153.41,135.98 152.96,135.98 v1(152.66,136.28) ; U1055.13 346.76,169.44 346.23,168.92 345.67,168.92 v4(345.37,169.22) ; U585.98 313.65,136.2 313.43,135.98 312.98,135.98 v1(312.68,136.28)
  GND1 w0.102: v2(311.56,136.35) 311.93,135.98 312.38,135.98 v1(312.68,136.28) ; v1(152.66,136.28) 152.36,135.98 151.91,135.98 v2(151.54,136.35) ; v2(71.53,136.35) 71.9,135.98 72.35,135.98 v1(72.65,136.28) ; v2(231.45,136.35) 231.83,135.98 232.37,135.98 v1(232.67,136.28)
  SIG1 w0.102: v2(311.56,136.35) 311.95,135.97 319.61,135.97 326.03,142.39 326.03,152.86 326.03,153.04 341.92,168.92 342.09,168.92 345.07,168.92 v4(345.37,169.22)
  SIG2 w0.102: v2(71.53,136.35) 71.9,135.98 151.17,135.98 v2(151.54,136.35) 151.91,135.98 231.08,135.98 v2(231.45,136.35) 231.83,135.98 311.19,135.98 v2(311.56,136.35)
CK_5N_D: length 403.8
  TOP w0.102: v1(72.65,56.27) 72.95,55.97 73.4,55.97 73.61,56.19 U1040.98 75.51,56.19 75.73,55.97 78.2,55.97 R1323.1 ; v1(232.67,56.27) 232.97,55.97 233.42,55.97 233.64,56.19 U910.98 ; U1055.16 348.28,165.63 348.81,166.16 349.31,166.16 v4(349.61,165.86) ; v1(152.66,56.27) 152.96,55.97 153.41,55.97 153.63,56.19 U975.98 ; U845.98 313.65,56.19 313.43,55.97 312.98,55.97 v1(312.68,56.27)